# Altium PCB SAMW25_Xplained_Pro.PcbDoc (part 7 of 9)
Units mm, origin at the board's own origin, x right, y up, seen from the top; angles counter-clockwise.
Board outline 60 x 60 mm, 4 copper layers (Top Layer LF-signals, GND, POWER, Bottom Layer LF-signals), stack 1.602 mm thick; 139 components, 107 nets, 540 pads, 303 vias.
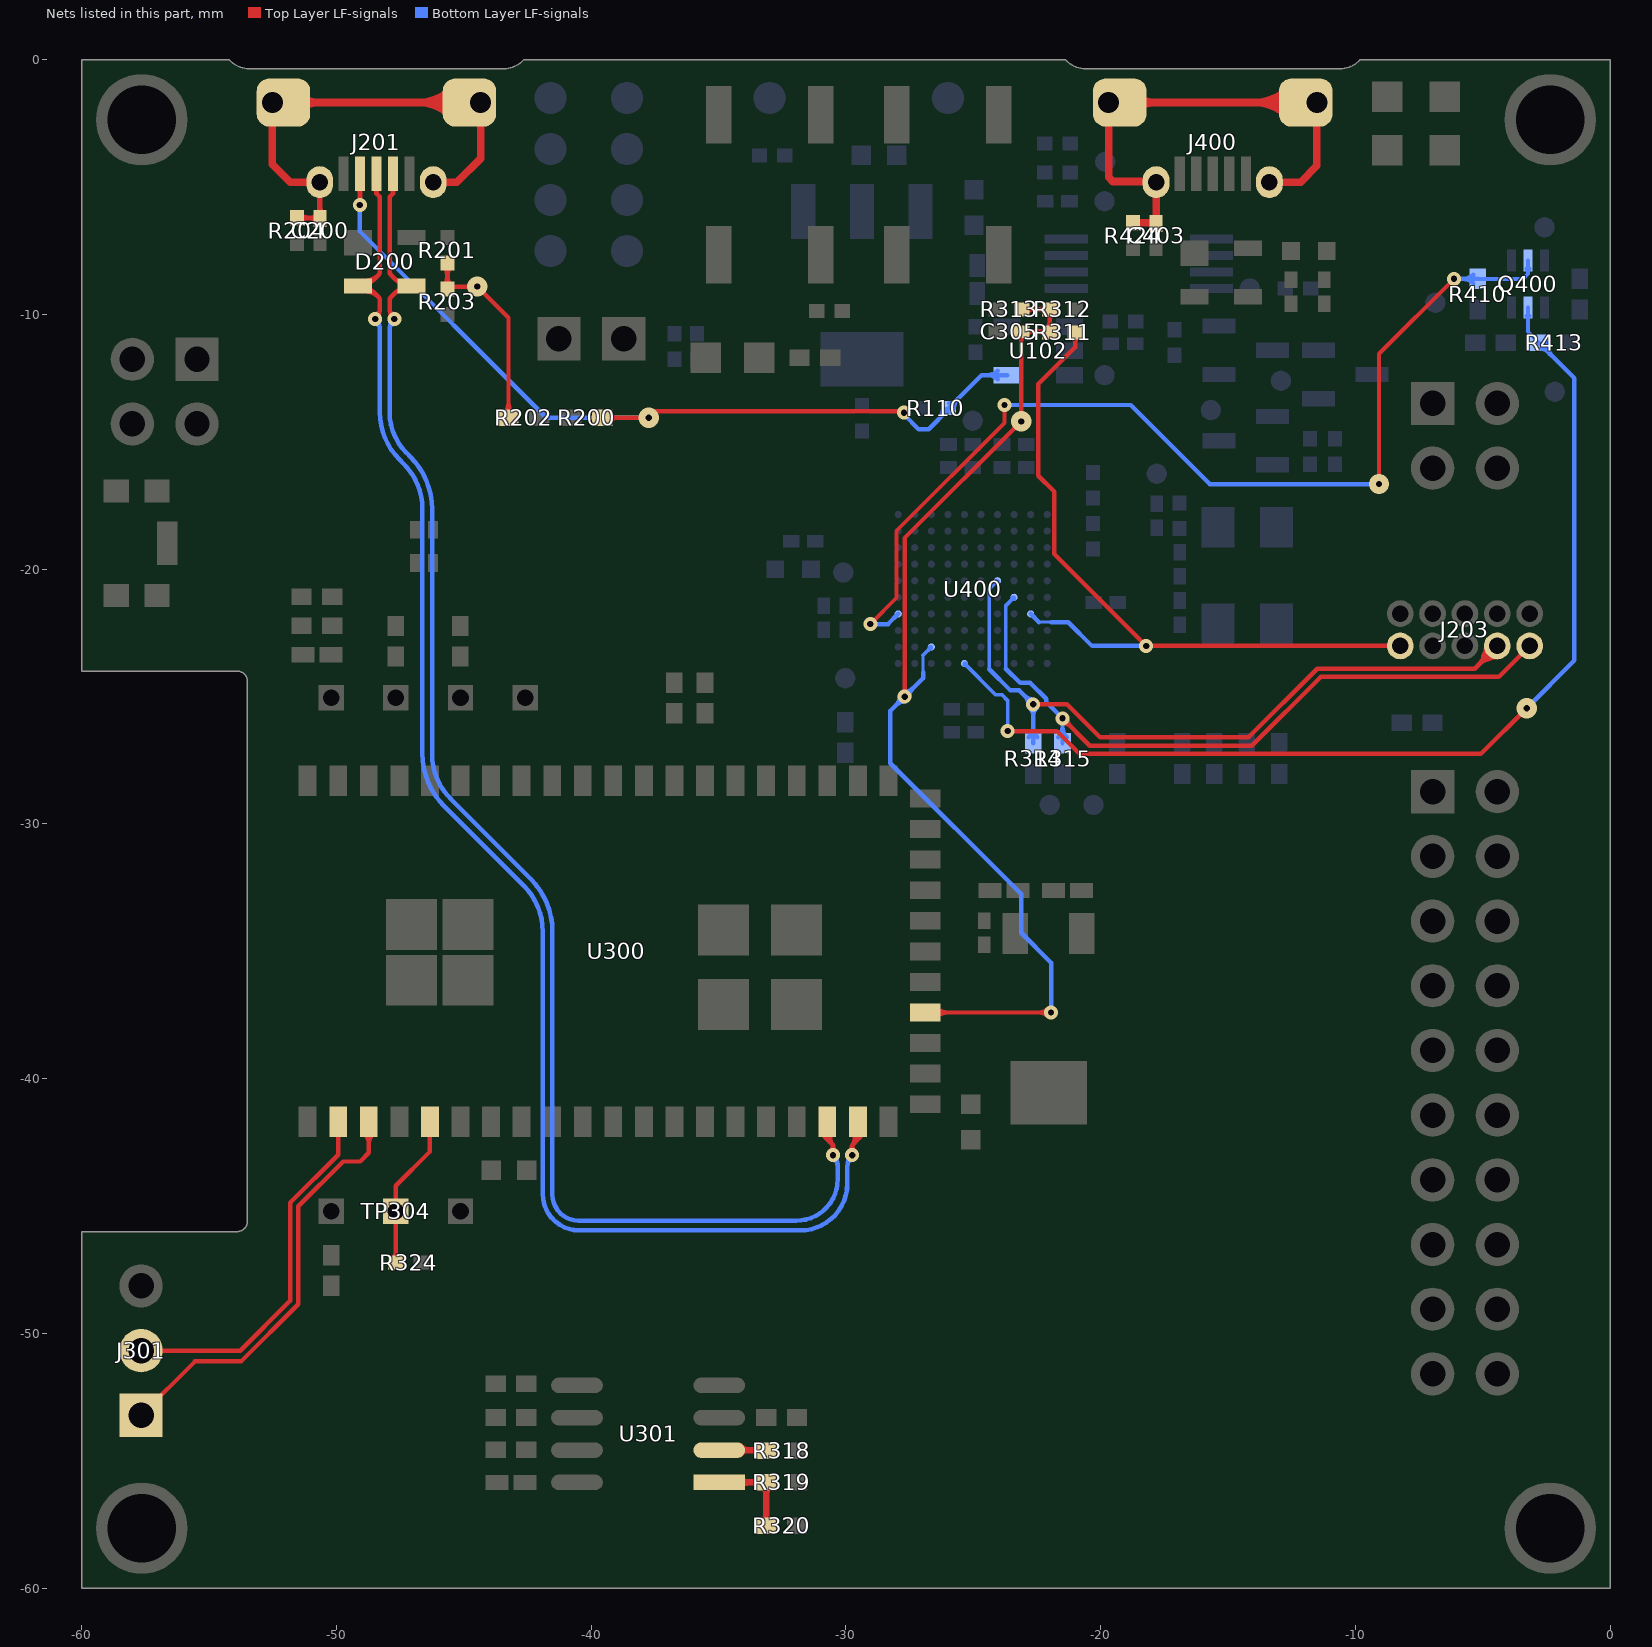
[diagram p9: the nets of this part, all layers, seen from the top]

## Via types
v1: diameter 0.55, hole 0.25, Top Layer LF-signals to Bottom Layer LF-signals, tented both sides, 213 vias
v2: diameter 0.55, hole 0.25, Top Layer LF-signals to Bottom Layer LF-signals, 46 vias
v3: diameter 0.55/0.8 (per signal layer), hole 0.25, Top Layer LF-signals to Bottom Layer LF-signals, tented top, 18 vias
v4: diameter 0.4, hole 0.2, Top Layer LF-signals to Bottom Layer LF-signals, 15 vias
v5: diameter 0.55, hole 0.25, Top Layer LF-signals to Bottom Layer LF-signals, tented top, 8 vias
v6: diameter 0.6, hole 0.3, Top Layer LF-signals to Bottom Layer LF-signals, tented both sides, 3 vias

## Nets (pads, with @x,y where several pads share a name; then routed paths per layer and width w, separated by ;. In a path a pad name is that pad's centre, name@x,y a point inside that pad or via, vN(x,y) a via of type N, cw(c..) or ccw(c..) an arc to the next point about the centre after c; other vN are vias at no path point) (continued)
POWER_LED_CTRL: Q400.2 R410.1 U400.K4 | length 44.6
  Top Layer LF-signals w0.15: v1(-29.042,-22.15) -28.013,-21.12 -28.013,-18.488 -23.775,-14.25 v1(-23.775,-13.55)
  Top Layer LF-signals w0.175: v3(-9.075,-16.65) -9.075,-11.543 v1(-6.132,-8.6)
  Bottom Layer LF-signals w0.15: R410.1@-5.2,-8.6 -3.425,-8.6 -3.225,-8.4 Q400.2@-3.225,-7.875 ; Q400.2@-3.296,-8.196 cw(c-3.466,-8.366) -3.225,-8.366 ; Q400.2@-3.296,-8.196 cw(c-3.466,-8.366) -3.225,-8.366 ; Q400.2@-3.296,-8.196 cw(c-3.466,-8.366) -3.225,-8.366 ; -3.225,-8.366 cw(c-2.984,-8.366) Q400.2@-3.154,-8.196 ; -3.225,-8.366 cw(c-2.984,-8.366) Q400.2@-3.154,-8.196 ; -3.225,-8.366 cw(c-2.984,-8.366) Q400.2@-3.154,-8.196
  Bottom Layer LF-signals w0.175: v1(-29.042,-22.15) -28.35,-22.15 U400.K4@-27.95,-21.75 ; v1(-23.775,-13.55) -18.825,-13.55 -15.712,-16.663 v3@-9.088,-16.663 ; v1(-6.132,-8.6) R410.1@-5.2,-8.6 ; -5.773,-8.6 cw(c-5.773,-9.173) R410.1@-5.368,-8.768 ; -5.773,-8.6 ccw(c-5.773,-8.027) R410.1@-5.368,-8.432 ; -5.773,-8.6 ccw(c-5.773,-8.027) R410.1@-5.368,-8.432 ; -5.773,-8.6 cw(c-5.773,-9.173) R410.1@-5.368,-8.768 ; -5.773,-8.6 ccw(c-5.773,-8.027) R410.1@-5.368,-8.432 ; -5.773,-8.6 cw(c-5.773,-9.173) R410.1@-5.368,-8.768
SHIELD: C403.2 J400.6@-11.512,-1.675 J400.7@-19.687,-1.675 J400.8@-13.375,-4.8 J400.9@-17.825,-4.8 R424.2 | length 52
  Top Layer LF-signals w0.3: R424.2@-18.725,-6.4 -17.85,-6.4 C403.2@-17.825,-6.375 ; C403.2@-17.825,-6.425 C403.2@-17.825,-6.375 ; J400.8@-13.375,-4.8 -12.15,-4.8 -11.512,-4.162 J400.6@-11.512,-1.675 J400.7@-19.687,-1.675 -19.687,-4.613 -19.525,-4.775 -17.85,-4.775 J400.9@-17.825,-4.8 C403.2@-17.825,-6.375 ; J400.7@-19.334,-2.029 cw(c-18.48,-2.882) J400.7@-18.48,-1.675 ; J400.7@-19.334,-2.029 cw(c-18.48,-2.882) J400.7@-18.48,-1.675 ; J400.7@-19.334,-2.029 cw(c-18.48,-2.882) J400.7@-18.48,-1.675 ; J400.7@-19.334,-1.321 ccw(c-18.48,-0.468) J400.7@-18.48,-1.675 ; J400.7@-19.334,-1.321 ccw(c-18.48,-0.468) J400.7@-18.48,-1.675 ; J400.7@-19.334,-1.321 ccw(c-18.48,-0.468) J400.7@-18.48,-1.675 ; J400.7@-19.122,-2.241 cw(c-17.756,-3.606) -17.756,-1.675 ; J400.7@-19.122,-2.241 cw(c-17.756,-3.606) -17.756,-1.675 ; J400.7@-19.122,-2.241 cw(c-17.756,-3.606) -17.756,-1.675 ; J400.7@-19.122,-1.109 ccw(c-17.756,0.256) -17.756,-1.675 ; J400.7@-19.122,-1.109 ccw(c-17.756,0.256) -17.756,-1.675 ; J400.7@-19.122,-1.109 ccw(c-17.756,0.256) -17.756,-1.675 ; R424.2@-18.637,-6.488 cw(c-18.423,-6.702) -18.423,-6.4 ; R424.2@-18.637,-6.488 cw(c-18.423,-6.702) -18.423,-6.4 ; R424.2@-18.637,-6.488 cw(c-18.423,-6.702) -18.423,-6.4 ; R424.2@-18.637,-6.312 ccw(c-18.423,-6.098) -18.423,-6.4 ; R424.2@-18.637,-6.312 ccw(c-18.423,-6.098) -18.423,-6.4 ; R424.2@-18.637,-6.312 ccw(c-18.423,-6.098) -18.423,-6.4 ; -18.127,-6.4 cw(c-18.127,-6.727) C403.2@-17.896,-6.496 ; -18.127,-6.4 cw(c-18.127,-6.727) C403.2@-17.896,-6.496 ; -18.127,-6.4 cw(c-18.127,-6.727) C403.2@-17.896,-6.496 ; -13.981,-1.675 cw(c-13.981,-3.606) J400.6@-12.616,-2.241 ; -13.981,-1.675 ccw(c-13.981,0.256) J400.6@-12.616,-1.109 ; -13.981,-1.675 ccw(c-13.981,0.256) J400.6@-12.616,-1.109 ; -13.981,-1.675 cw(c-13.981,-3.606) J400.6@-12.616,-2.241 ; -13.981,-1.675 ccw(c-13.981,0.256) J400.6@-12.616,-1.109 ; -13.981,-1.675 cw(c-13.981,-3.606) J400.6@-12.616,-2.241 ; -13.257,-1.675 cw(c-13.257,-2.882) J400.6@-12.404,-2.029 ; -13.257,-1.675 ccw(c-13.257,-0.468) J400.6@-12.404,-1.321 ; -13.257,-1.675 ccw(c-13.257,-0.468) J400.6@-12.404,-1.321 ; -13.257,-1.675 cw(c-13.257,-2.882) J400.6@-12.404,-2.029 ; -13.257,-1.675 ccw(c-13.257,-0.468) J400.6@-12.404,-1.321 ; -13.257,-1.675 cw(c-13.257,-2.882) J400.6@-12.404,-2.029
SLEEP_CLK: R324.2 TP304.1 U300.5 | length 8.2
  Top Layer LF-signals w0.175: R324.2@-47.808,-47.092 ccw(c-48.128,-46.772) -47.675,-46.772 ccw(c-47.222,-46.772) R324.2@-47.542,-47.092 ; R324.2@-47.675,-47.25 TP304.1@-47.675,-45.2 -47.675,-44.2 -46.335,-42.86 U300.5@-46.335,-41.696 ; -47.675,-46.797 ccw(c-47.222,-46.797) -47.542,-47.117 cw(c-47.222,-46.797) -47.675,-46.797 ; -47.675,-46.797 cw(c-48.128,-46.797) -47.808,-47.117 ccw(c-48.128,-46.797) -47.675,-46.797
SPI_MISO: R318.1 U301.2 | length 6.3
  Top Layer LF-signals w0.25: U301.2@-34.975,-54.58 R318.1@-33.03,-54.58 ; U301.2@-34.137,-54.707 cw(c-33.83,-55.014) -33.83,-54.58 ; U301.2@-34.137,-54.707 cw(c-33.83,-55.014) -33.83,-54.58 ; U301.2@-34.137,-54.707 cw(c-33.83,-55.014) -33.83,-54.58 ; U301.2@-34.137,-54.453 ccw(c-33.83,-54.146) -33.83,-54.58 ; U301.2@-34.137,-54.453 ccw(c-33.83,-54.146) -33.83,-54.58 ; U301.2@-34.137,-54.453 ccw(c-33.83,-54.146) -33.83,-54.58 ; -33.731,-54.58 cw(c-33.731,-55.131) R318.1@-33.341,-54.741 ; -33.731,-54.58 cw(c-33.731,-55.131) R318.1@-33.341,-54.741 ; -33.731,-54.58 cw(c-33.731,-55.131) R318.1@-33.341,-54.741 ; -33.635,-54.58 ccw(c-33.635,-54.165) R318.1@-33.341,-54.459 ; -33.635,-54.58 ccw(c-33.635,-54.165) R318.1@-33.341,-54.459 ; -33.635,-54.58 ccw(c-33.635,-54.165) R318.1@-33.341,-54.459
SPI_SS: R319.1 R320.2 U301.1 | length 12.3
  Top Layer LF-signals w0.25: U301.1@-34.975,-55.85 R319.1@-33.125,-55.85 R320.2@-33.125,-57.4 ; U301.1@-34.137,-55.977 cw(c-33.83,-56.284) -33.83,-55.85 ; U301.1@-34.137,-55.977 cw(c-33.83,-56.284) -33.83,-55.85 ; U301.1@-34.137,-55.977 cw(c-33.83,-56.284) -33.83,-55.85 ; U301.1@-34.137,-55.723 ccw(c-33.83,-55.416) -33.83,-55.85 ; U301.1@-34.137,-55.723 ccw(c-33.83,-55.416) -33.83,-55.85 ; U301.1@-34.137,-55.723 ccw(c-33.83,-55.416) -33.83,-55.85 ; -33.683,-55.85 cw(c-33.683,-56.333) R319.1@-33.341,-55.991 ; -33.683,-55.85 ccw(c-33.683,-55.367) R319.1@-33.341,-55.709 ; -33.683,-55.85 ccw(c-33.683,-55.367) R319.1@-33.341,-55.709 ; -33.683,-55.85 cw(c-33.683,-56.333) R319.1@-33.341,-55.991 ; -33.683,-55.85 ccw(c-33.683,-55.367) R319.1@-33.341,-55.709 ; -33.683,-55.85 cw(c-33.683,-56.333) R319.1@-33.341,-55.991 ; R320.2@-33.266,-57.409 ccw(c-33.608,-57.067) -33.125,-57.067 ; R320.2@-33.266,-57.409 ccw(c-33.608,-57.067) -33.125,-57.067 ; R320.2@-33.266,-57.409 ccw(c-33.608,-57.067) -33.125,-57.067 ; R319.1@-33.266,-55.991 cw(c-33.608,-56.333) -33.125,-56.333 ; R319.1@-33.266,-55.991 cw(c-33.608,-56.333) -33.125,-56.333 ; R319.1@-33.266,-55.991 cw(c-33.608,-56.333) -33.125,-56.333 ; -33.125,-57.067 ccw(c-32.642,-57.067) R320.2@-32.984,-57.409 ; -33.125,-57.067 ccw(c-32.642,-57.067) R320.2@-32.984,-57.409 ; -33.125,-57.067 ccw(c-32.642,-57.067) R320.2@-32.984,-57.409 ; -33.125,-56.333 cw(c-32.642,-56.333) R319.1@-32.984,-55.991 ; -33.125,-56.333 cw(c-32.642,-56.333) R319.1@-32.984,-55.991 ; -33.125,-56.333 cw(c-32.642,-56.333) R319.1@-32.984,-55.991
STATUS_LED_CTRL: Q400.5 R413.2 U400.F1 | length 48.5
  Top Layer LF-signals w0.175: v1(-23.653,-26.351) -21.724,-26.351 -20.825,-27.25 -5.075,-27.25 v3(-3.275,-25.45)
  Bottom Layer LF-signals w0.15: U400.F1@-25.35,-23.7 -24.125,-24.925 -23.875,-24.925 -23.653,-25.147 v1(-23.653,-26.351) ; Q400.5@-3.225,-9.725 -3.225,-10.675 R413.2@-2.8,-11.1 ; U400.F1@-25.35,-23.765 cw(c-25.35,-23.922) -25.239,-23.811 ; U400.F1@-25.35,-23.765 cw(c-25.35,-23.922) -25.239,-23.811 ; U400.F1@-25.35,-23.765 cw(c-25.35,-23.922) -25.239,-23.811 ; U400.F1@-25.285,-23.7 ccw(c-25.128,-23.7) -25.239,-23.811 ; U400.F1@-25.285,-23.7 ccw(c-25.128,-23.7) -25.239,-23.811 ; U400.F1@-25.285,-23.7 ccw(c-25.128,-23.7) -25.239,-23.811 ; Q400.5@-3.296,-10.046 cw(c-3.466,-10.216) -3.225,-10.216 ; Q400.5@-3.296,-10.046 cw(c-3.466,-10.216) -3.225,-10.216 ; Q400.5@-3.296,-10.046 cw(c-3.466,-10.216) -3.225,-10.216 ; -3.225,-10.216 cw(c-2.984,-10.216) Q400.5@-3.154,-10.046 ; -3.225,-10.216 cw(c-2.984,-10.216) Q400.5@-3.154,-10.046 ; -3.225,-10.216 cw(c-2.984,-10.216) Q400.5@-3.154,-10.046
  Bottom Layer LF-signals w0.175: v3(-3.275,-25.45) -1.4,-23.575 -1.4,-12.5 R413.2@-2.8,-11.1 ; R413.2@-2.744,-11.16 cw(c-2.913,-11.7) -2.366,-11.554 ; R413.2@-2.744,-11.16 cw(c-2.913,-11.7) -2.366,-11.554 ; R413.2@-2.744,-11.16 cw(c-2.913,-11.7) -2.366,-11.554 ; R413.2@-2.725,-11.338 cw(c-2.725,-11.73) -2.448,-11.452 ; R413.2@-2.725,-11.338 cw(c-2.725,-11.73) -2.448,-11.452 ; R413.2@-2.725,-11.338 cw(c-2.725,-11.73) -2.448,-11.452 ; R413.2@-2.488,-11.1 ccw(c-1.733,-11.1) -2.267,-11.633 ; R413.2@-2.488,-11.1 ccw(c-1.733,-11.1) -2.267,-11.633 ; R413.2@-2.488,-11.1 ccw(c-1.733,-11.1) -2.267,-11.633
SWCLK: J203.4 R314.1 U400.D6 | length 48
  Top Layer LF-signals w0.175: v1(-22.65,-25.3) -21.325,-25.3 -20.025,-26.6 -14.2,-26.6 -11.5,-23.9 -5.32,-23.9 J203.4@-4.43,-23.01 ; -5.177,-23.757 cw(c-4.43,-24.504) J203.4@-4.43,-23.447 ; -5.177,-23.757 ccw(c-5.924,-23.01) J203.4@-4.867,-23.01 ; -5.177,-23.757 ccw(c-5.924,-23.01) J203.4@-4.867,-23.01 ; -5.177,-23.757 cw(c-4.43,-24.504) J203.4@-4.43,-23.447 ; -5.177,-23.757 ccw(c-5.924,-23.01) J203.4@-4.867,-23.01 ; -5.177,-23.757 cw(c-4.43,-24.504) J203.4@-4.43,-23.447 ; -4.979,-23.424 cw(c-4.308,-23.604) J203.4@-4.448,-22.924 ; -4.979,-23.424 cw(c-4.308,-23.604) J203.4@-4.448,-22.924 ; -4.979,-23.424 cw(c-4.308,-23.604) J203.4@-4.448,-22.924 ; -4.878,-23.458 cw(c-4.43,-23.906) J203.4@-4.43,-23.272 ; -4.878,-23.458 ccw(c-5.326,-23.01) J203.4@-4.692,-23.01 ; -4.878,-23.458 ccw(c-5.326,-23.01) J203.4@-4.692,-23.01 ; -4.878,-23.458 cw(c-4.43,-23.906) J203.4@-4.43,-23.272 ; -4.878,-23.458 ccw(c-5.326,-23.01) J203.4@-4.692,-23.01 ; -4.878,-23.458 cw(c-4.43,-23.906) J203.4@-4.43,-23.272 ; -4.844,-23.559 ccw(c-5.024,-22.888) J203.4@-4.344,-23.028 ; -4.844,-23.559 ccw(c-5.024,-22.888) J203.4@-4.344,-23.028 ; -4.844,-23.559 ccw(c-5.024,-22.888) J203.4@-4.344,-23.028
  Bottom Layer LF-signals w0.125: -24.375,-23.847 -24.375,-20.775
  Bottom Layer LF-signals w0.15: -24.375,-23.924 -24.375,-23.847 ; -24.375,-20.775 U400.D6@-24.05,-20.45 ; -24.161,-20.561 cw(c-24.05,-20.672) U400.D6@-24.05,-20.515 ; -24.161,-20.561 ccw(c-24.272,-20.45) U400.D6@-24.115,-20.45 ; -24.161,-20.561 ccw(c-24.272,-20.45) U400.D6@-24.115,-20.45 ; -24.161,-20.561 cw(c-24.05,-20.672) U400.D6@-24.05,-20.515 ; -24.161,-20.561 ccw(c-24.272,-20.45) U400.D6@-24.115,-20.45 ; -24.161,-20.561 cw(c-24.05,-20.672) U400.D6@-24.05,-20.515
  Bottom Layer LF-signals w0.175: -24.375,-23.924 -23.543,-24.757 -23.193,-24.757 v1(-22.65,-25.3) R314.1@-22.65,-26.835 ; -22.97,-24.98 cw(c-23.29,-25.3) v1@-22.837,-25.3 ; -22.97,-24.98 ccw(c-22.65,-24.66) v1@-22.65,-25.112 ; -22.97,-24.98 ccw(c-22.65,-24.66) v1@-22.65,-25.112 ; -22.97,-24.98 cw(c-23.29,-25.3) v1@-22.837,-25.3 ; -22.97,-24.98 ccw(c-22.65,-24.66) v1@-22.65,-25.112 ; -22.97,-24.98 cw(c-23.29,-25.3) v1@-22.837,-25.3 ; R314.1@-22.818,-26.592 ccw(c-23.223,-26.187) -22.65,-26.187 ; R314.1@-22.818,-26.592 ccw(c-23.223,-26.187) -22.65,-26.187 ; R314.1@-22.818,-26.592 ccw(c-23.223,-26.187) -22.65,-26.187 ; v1@-22.783,-25.433 cw(c-23.103,-25.753) -22.65,-25.753 ; v1@-22.783,-25.433 cw(c-23.103,-25.753) -22.65,-25.753 ; v1@-22.783,-25.433 cw(c-23.103,-25.753) -22.65,-25.753 ; -22.65,-26.187 ccw(c-22.077,-26.187) R314.1@-22.482,-26.592 ; -22.65,-26.187 ccw(c-22.077,-26.187) R314.1@-22.482,-26.592 ; -22.65,-26.187 ccw(c-22.077,-26.187) R314.1@-22.482,-26.592 ; -22.65,-25.753 cw(c-22.197,-25.753) v1@-22.517,-25.433 ; -22.65,-25.753 cw(c-22.197,-25.753) v1@-22.517,-25.433 ; -22.65,-25.753 cw(c-22.197,-25.753) v1@-22.517,-25.433
SWDIO: J203.2 R315.1 U400.C5 | length 35.3
  Top Layer LF-signals w0.175: v1(-21.5,-25.85) -20.425,-26.925 -14.065,-26.925 -11.365,-24.225 -4.375,-24.225 J203.2@-3.16,-23.01 ; v1@-21.503,-25.862 cw(c-21.57,-26.193) -21.244,-26.106 ; v1@-21.503,-25.862 cw(c-21.57,-26.193) -21.244,-26.106 ; v1@-21.503,-25.862 cw(c-21.57,-26.193) -21.244,-26.106 ; v1@-21.5,-26.037 cw(c-21.5,-26.49) -21.18,-26.17 ; v1@-21.5,-26.037 cw(c-21.5,-26.49) -21.18,-26.17 ; v1@-21.5,-26.037 cw(c-21.5,-26.49) -21.18,-26.17 ; v1@-21.488,-25.847 ccw(c-21.157,-25.78) -21.244,-26.106 ; v1@-21.488,-25.847 ccw(c-21.157,-25.78) -21.244,-26.106 ; v1@-21.488,-25.847 ccw(c-21.157,-25.78) -21.244,-26.106 ; v1@-21.313,-25.85 ccw(c-20.86,-25.85) -21.18,-26.17 ; v1@-21.313,-25.85 ccw(c-20.86,-25.85) -21.18,-26.17 ; v1@-21.313,-25.85 ccw(c-20.86,-25.85) -21.18,-26.17
  Bottom Layer LF-signals w0.125: -23.725,-23.9 -23.725,-21.425
  Bottom Layer LF-signals w0.15: -23.725,-21.425 U400.C5@-23.4,-21.1 ; -23.511,-21.211 cw(c-23.4,-21.322) U400.C5@-23.4,-21.165 ; -23.511,-21.211 ccw(c-23.622,-21.1) U400.C5@-23.465,-21.1 ; -23.511,-21.211 ccw(c-23.622,-21.1) U400.C5@-23.465,-21.1 ; -23.511,-21.211 cw(c-23.4,-21.322) U400.C5@-23.4,-21.165 ; -23.511,-21.211 ccw(c-23.622,-21.1) U400.C5@-23.465,-21.1 ; -23.511,-21.211 cw(c-23.4,-21.322) U400.C5@-23.4,-21.165
  Bottom Layer LF-signals w0.175: -23.725,-23.9 -23.162,-24.463 -22.763,-24.463 -22.137,-25.088 -22.137,-25.212 v1(-21.5,-25.85) R315.1@-21.5,-26.835 ; R315.1@-21.668,-26.592 ccw(c-22.073,-26.187) -21.5,-26.187 ; R315.1@-21.668,-26.592 ccw(c-22.073,-26.187) -21.5,-26.187 ; R315.1@-21.668,-26.592 ccw(c-22.073,-26.187) -21.5,-26.187 ; -21.5,-26.187 ccw(c-20.927,-26.187) R315.1@-21.332,-26.592 ; -21.5,-26.187 ccw(c-20.927,-26.187) R315.1@-21.332,-26.592 ; -21.5,-26.187 ccw(c-20.927,-26.187) R315.1@-21.332,-26.592
TARGET_RESET: J203.10 R311.1 U400.B4 | length 31.8
  Top Layer LF-signals w0.175: R311.1@-21,-10.7 -21,-11.275 -22.45,-12.725 -22.45,-16.325 -21.825,-16.95 -21.825,-19.4 v1(-18.215,-23.01) J203.10@-8.24,-23.01 ; R311.1@-21.133,-10.833 cw(c-21.453,-11.153) -21,-11.153 ; R311.1@-21.133,-10.833 cw(c-21.453,-11.153) -21,-11.153 ; R311.1@-21.133,-10.833 cw(c-21.453,-11.153) -21,-11.153 ; -21,-11.153 cw(c-20.547,-11.153) R311.1@-20.867,-10.833 ; -21,-11.153 cw(c-20.547,-11.153) R311.1@-20.867,-10.833 ; -21,-11.153 cw(c-20.547,-11.153) R311.1@-20.867,-10.833
  Bottom Layer LF-signals w0.125: -22.425,-22.075 -21.935,-22.075
  Bottom Layer LF-signals w0.175: U400.B4@-22.75,-21.75 -22.425,-22.075 ; -21.935,-22.075 -21.275,-22.075 -20.34,-23.01 v1(-18.215,-23.01)
TARGET_RESET_SENSE: C305.1 R311.2 R312.1 R313.2 U300.24 U400.H2 | length 68.6
  Top Layer LF-signals w0.15: C305.1@-23.125,-10.675 C305.1@-23.1,-10.65
  Top Layer LF-signals w0.175: v1(-27.7,-25) -27.7,-18.775 v3(-23.12,-14.195) -23.12,-10.68 C305.1@-23.125,-10.675 ; U300.24@-26.894,-37.4 v1(-21.95,-37.4) ; C305.1@-23.1,-10.65 -22.05,-10.65 R311.2@-22,-10.7 R312.1@-22,-9.8 R313.2@-23.1,-9.8 ; U300.24@-26.458,-37.586 cw(c-26.01,-38.034) -26.01,-37.4 ; U300.24@-26.458,-37.586 cw(c-26.01,-38.034) -26.01,-37.4 ; U300.24@-26.458,-37.586 cw(c-26.01,-38.034) -26.01,-37.4 ; U300.24@-26.458,-37.214 ccw(c-26.01,-36.766) -26.01,-37.4 ; U300.24@-26.458,-37.214 ccw(c-26.01,-36.766) -26.01,-37.4 ; U300.24@-26.458,-37.214 ccw(c-26.01,-36.766) -26.01,-37.4 ; v3@-23.253,-14.063 ccw(c-23.573,-13.743) -23.12,-13.743 ; v3@-23.253,-14.063 ccw(c-23.573,-13.743) -23.12,-13.743 ; v3@-23.253,-14.063 ccw(c-23.573,-13.743) -23.12,-13.743 ; C305.1@-23.24,-10.79 cw(c-23.528,-11.078) -23.12,-11.078 ; C305.1@-23.24,-10.79 cw(c-23.528,-11.078) -23.12,-11.078 ; C305.1@-23.24,-10.79 cw(c-23.528,-11.078) -23.12,-11.078 ; -23.12,-13.743 ccw(c-22.668,-13.743) v3@-22.988,-14.063 ; -23.12,-13.743 ccw(c-22.668,-13.743) v3@-22.988,-14.063 ; -23.12,-13.743 ccw(c-22.668,-13.743) v3@-22.988,-14.063 ; -23.12,-11.056 cw(c-22.744,-11.056) C305.1@-23.01,-10.79 ; -23.12,-11.056 cw(c-22.744,-11.056) C305.1@-23.01,-10.79 ; -23.12,-11.056 cw(c-22.744,-11.056) C305.1@-23.01,-10.79 ; R313.2@-22.942,-9.933 cw(c-22.622,-10.253) -22.622,-9.8 ; R313.2@-22.942,-9.933 cw(c-22.622,-10.253) -22.622,-9.8 ; R313.2@-22.942,-9.933 cw(c-22.622,-10.253) -22.622,-9.8 ; R313.2@-22.942,-9.667 ccw(c-22.622,-9.347) -22.622,-9.8 ; R313.2@-22.942,-9.667 ccw(c-22.622,-9.347) -22.622,-9.8 ; R313.2@-22.942,-9.667 ccw(c-22.622,-9.347) -22.622,-9.8 ; C305.1@-22.935,-10.79 cw(c-22.597,-11.128) -22.597,-10.65 ; C305.1@-22.935,-10.79 cw(c-22.597,-11.128) -22.597,-10.65 ; C305.1@-22.935,-10.79 cw(c-22.597,-11.128) -22.597,-10.65 ; C305.1@-22.935,-10.56 ccw(c-22.718,-10.343) -22.718,-10.65 ; C305.1@-22.935,-10.56 ccw(c-22.718,-10.343) -22.718,-10.65 ; C305.1@-22.935,-10.56 ccw(c-22.718,-10.343) -22.718,-10.65 ; -22.598,-10.65 cw(c-22.598,-11.273) R311.2@-22.158,-10.833 ; -22.598,-10.65 cw(c-22.598,-11.273) R311.2@-22.158,-10.833 ; -22.598,-10.65 cw(c-22.598,-11.273) R311.2@-22.158,-10.833 ; -22.478,-9.8 cw(c-22.478,-10.253) R312.1@-22.158,-9.933 ; -22.478,-9.8 ccw(c-22.478,-9.347) R312.1@-22.158,-9.667 ; -22.478,-9.8 ccw(c-22.478,-9.347) R312.1@-22.158,-9.667 ; -22.478,-9.8 cw(c-22.478,-10.253) R312.1@-22.158,-9.933 ; -22.478,-9.8 ccw(c-22.478,-9.347) R312.1@-22.158,-9.667 ; -22.478,-9.8 cw(c-22.478,-10.253) R312.1@-22.158,-9.933 ; -22.403,-37.4 cw(c-22.403,-37.853) v1@-22.083,-37.533 ; -22.403,-37.4 ccw(c-22.403,-36.947) v1@-22.083,-37.267 ; -22.403,-37.4 ccw(c-22.403,-36.947) v1@-22.083,-37.267 ; -22.403,-37.4 cw(c-22.403,-37.853) v1@-22.083,-37.533 ; -22.403,-37.4 ccw(c-22.403,-36.947) v1@-22.083,-37.267 ; -22.403,-37.4 cw(c-22.403,-37.853) v1@-22.083,-37.533 ; -22.357,-10.65 ccw(c-22.357,-10.368) R311.2@-22.158,-10.567 ; -22.357,-10.65 ccw(c-22.357,-10.368) R311.2@-22.158,-10.567 ; -22.357,-10.65 ccw(c-22.357,-10.368) R311.2@-22.158,-10.567 ; R311.2@-22.133,-10.567 ccw(c-22.453,-10.247) -22,-10.247 ; R311.2@-22.133,-10.567 ccw(c-22.453,-10.247) -22,-10.247 ; R311.2@-22.133,-10.567 ccw(c-22.453,-10.247) -22,-10.247 ; R312.1@-22.133,-9.933 cw(c-22.453,-10.253) -22,-10.253 ; R312.1@-22.133,-9.933 cw(c-22.453,-10.253) -22,-10.253 ; R312.1@-22.133,-9.933 cw(c-22.453,-10.253) -22,-10.253 ; -22,-10.253 cw(c-21.547,-10.253) R312.1@-21.867,-9.933 ; -22,-10.253 cw(c-21.547,-10.253) R312.1@-21.867,-9.933 ; -22,-10.253 cw(c-21.547,-10.253) R312.1@-21.867,-9.933 ; -22,-10.247 ccw(c-21.547,-10.247) R311.2@-21.867,-10.567 ; -22,-10.247 ccw(c-21.547,-10.247) R311.2@-21.867,-10.567 ; -22,-10.247 ccw(c-21.547,-10.247) R311.2@-21.867,-10.567
  Bottom Layer LF-signals w0.125: -26.975,-24.05 -26.975,-23.375
  Bottom Layer LF-signals w0.15: -26.975,-23.375 U400.H2@-26.65,-23.05 ; -26.761,-23.161 cw(c-26.65,-23.272) U400.H2@-26.65,-23.115 ; -26.761,-23.161 ccw(c-26.872,-23.05) U400.H2@-26.715,-23.05 ; -26.761,-23.161 ccw(c-26.872,-23.05) U400.H2@-26.715,-23.05 ; -26.761,-23.161 cw(c-26.65,-23.272) U400.H2@-26.65,-23.115 ; -26.761,-23.161 ccw(c-26.872,-23.05) U400.H2@-26.715,-23.05 ; -26.761,-23.161 cw(c-26.65,-23.272) U400.H2@-26.65,-23.115
  Bottom Layer LF-signals w0.175: -26.975,-24.05 -26.975,-24.275 v1(-27.7,-25) -28.263,-25.563 -28.263,-27.612 -23.125,-32.75 -23.125,-34.271 -21.95,-35.446 v1(-21.95,-37.4) ; -28.02,-25.32 cw(c-27.7,-25.64) v1@-27.7,-25.187 ; -28.02,-25.32 ccw(c-28.34,-25) v1@-27.887,-25 ; -28.02,-25.32 ccw(c-28.34,-25) v1@-27.887,-25 ; -28.02,-25.32 cw(c-27.7,-25.64) v1@-27.7,-25.187 ; -28.02,-25.32 ccw(c-28.34,-25) v1@-27.887,-25 ; -28.02,-25.32 cw(c-27.7,-25.64) v1@-27.7,-25.187 ; v1@-27.7,-24.813 ccw(c-27.7,-24.36) -27.38,-24.68 ; v1@-27.7,-24.813 ccw(c-27.7,-24.36) -27.38,-24.68 ; v1@-27.7,-24.813 ccw(c-27.7,-24.36) -27.38,-24.68 ; v1@-27.513,-25 cw(c-27.06,-25) -27.38,-24.68 ; v1@-27.513,-25 cw(c-27.06,-25) -27.38,-24.68 ; v1@-27.513,-25 cw(c-27.06,-25) -27.38,-24.68
TARGET_USB_ID: J201.4 R110.1 R200.1 U102.4 | length 44.5
  Top Layer LF-signals w0.175: R200.1@-39.575,-14.05 v3(-37.75,-14.05) -37.5,-13.8 v1@-27.725,-13.8 ; R200.1@-39.332,-14.218 cw(c-38.927,-14.623) -38.927,-14.05 ; R200.1@-39.332,-14.218 cw(c-38.927,-14.623) -38.927,-14.05 ; R200.1@-39.332,-14.218 cw(c-38.927,-14.623) -38.927,-14.05 ; R200.1@-39.332,-13.882 ccw(c-38.927,-13.477) -38.927,-14.05 ; R200.1@-39.332,-13.882 ccw(c-38.927,-13.477) -38.927,-14.05 ; R200.1@-39.332,-13.882 ccw(c-38.927,-13.477) -38.927,-14.05
  Top Layer LF-signals w0.2: v1(-49.084,-5.7) J201.4@-49.084,-4.475 ; J201.4@-49.155,-5.021 cw(c-49.325,-5.191) -49.084,-5.191 ; J201.4@-49.155,-5.021 cw(c-49.325,-5.191) -49.084,-5.191 ; J201.4@-49.155,-5.021 cw(c-49.325,-5.191) -49.084,-5.191 ; -49.084,-5.191 cw(c-48.843,-5.191) J201.4@-49.013,-5.021 ; -49.084,-5.191 cw(c-48.843,-5.191) J201.4@-49.013,-5.021 ; -49.084,-5.191 cw(c-48.843,-5.191) J201.4@-49.013,-5.021
  Bottom Layer LF-signals w0.175: v1(-49.084,-5.7) -49.084,-6.737 -41.771,-14.05 v3(-37.75,-14.05) ; v1(-27.725,-13.85) -27.725,-13.925 -27.15,-14.5 -26.75,-14.5 R110.1@-25.975,-13.725 ; -26.269,-13.978 cw(c-25.859,-14.088) R110.1@-25.996,-13.687 ; R110.1@-25.975,-13.675 -24.678,-12.378 U102.4@-23.675,-12.378 ; R110.1@-26.192,-13.942 cw(c-26,-14.134) R110.1@-26,-13.862 ; R110.1@-26.192,-13.942 cw(c-26,-14.134) R110.1@-26,-13.862 ; R110.1@-26.192,-13.942 cw(c-26,-14.134) R110.1@-26,-13.862 ; R110.1@-25.95,-13.488 ccw(c-25.95,-13.095) -25.673,-13.373 ; R110.1@-25.95,-13.488 ccw(c-25.95,-13.095) -25.673,-13.373 ; R110.1@-25.95,-13.488 ccw(c-25.95,-13.095) -25.673,-13.373 ; R110.1@-25.763,-13.675 cw(c-25.249,-13.675) -25.612,-13.312 ; R110.1@-25.763,-13.675 cw(c-25.249,-13.675) -25.612,-13.312 ; R110.1@-25.763,-13.675 cw(c-25.249,-13.675) -25.612,-13.312 ; -24.448,-12.378 cw(c-24.448,-12.951) U102.4@-24.043,-12.546 ; -24.448,-12.378 ccw(c-24.448,-11.805) U102.4@-24.043,-12.21 ; -24.448,-12.378 ccw(c-24.448,-11.805) U102.4@-24.043,-12.21 ; -24.448,-12.378 cw(c-24.448,-12.951) U102.4@-24.043,-12.546 ; -24.448,-12.378 ccw(c-24.448,-11.805) U102.4@-24.043,-12.21 ; -24.448,-12.378 cw(c-24.448,-12.951) U102.4@-24.043,-12.546 ; -26.373,-14.123 ccw(c-26.821,-13.675) -26.187,-13.675 cw(c-26.821,-13.675) -26.373,-14.123
TARGET_USB_N: D200.3 J201.2 U300.18 | length 71.4
  Top Layer LF-signals w0.18: J201.2@-47.784,-4.475 -47.784,-5.245 -47.919,-5.38 -47.919,-8.289 ccw(c-47.683,-8.289) -47.85,-8.456 -47.695,-8.611 ccw(c-47.05,-7.965) D200.3@-47.05,-8.878 ccw(c-47.05,-9.791) -47.695,-9.145 -47.85,-9.3 ccw(c-47.683,-9.467) -47.919,-9.467 -47.919,-9.728 ccw(c-47.287,-9.728) v1(-47.734,-10.175) ; U300.18@-30.735,-41.696 -30.735,-42.386 ; v1(-30.51,-43) -30.51,-42.611 ; -47.897,-9.892 cw(c-48.068,-9.99) v1@-47.896,-10.085 ; -47.897,-9.892 ccw(c-47.727,-9.794) v1@-47.731,-9.99 ; -47.897,-9.892 ccw(c-47.727,-9.794) v1@-47.731,-9.99 ; -47.897,-9.892 cw(c-48.068,-9.99) v1@-47.896,-10.085 ; -47.897,-9.892 ccw(c-47.727,-9.794) v1@-47.731,-9.99 ; -47.897,-9.892 cw(c-48.068,-9.99) v1@-47.896,-10.085 ; J201.2@-47.862,-5.028 cw(c-48.05,-5.216) -47.784,-5.216 ; J201.2@-47.862,-5.028 cw(c-48.05,-5.216) -47.784,-5.216 ; J201.2@-47.862,-5.028 cw(c-48.05,-5.216) -47.784,-5.216 ; -47.784,-5.216 cw(c-47.518,-5.216) J201.2@-47.706,-5.028 ; -47.784,-5.216 cw(c-47.518,-5.216) J201.2@-47.706,-5.028 ; -47.784,-5.216 cw(c-47.518,-5.216) J201.2@-47.706,-5.028 ; U300.18@-30.861,-42.174 cw(c-30.977,-42.386) -30.735,-42.386 ; U300.18@-30.861,-42.174 cw(c-30.977,-42.386) -30.735,-42.386 ; U300.18@-30.861,-42.174 cw(c-30.977,-42.386) -30.735,-42.386 ; U300.18@-30.812,-41.883 ccw(c-30.555,-42.095) -30.791,-42.331 ; U300.18@-30.812,-41.883 ccw(c-30.555,-42.095) -30.791,-42.331 ; U300.18@-30.812,-41.883 ccw(c-30.555,-42.095) -30.791,-42.331 ; -30.735,-42.386 cw(c-30.493,-42.386) U300.18@-30.61,-42.174 ; -30.735,-42.386 cw(c-30.493,-42.386) U300.18@-30.61,-42.174 ; -30.735,-42.386 cw(c-30.493,-42.386) U300.18@-30.61,-42.174 ; -30.735,-42.386 -30.51,-42.611 ; U300.18@-30.673,-41.997 ccw(c-30.401,-42.221) -30.65,-42.471 ; U300.18@-30.673,-41.997 ccw(c-30.401,-42.221) -30.65,-42.471 ; U300.18@-30.673,-41.997 ccw(c-30.401,-42.221) -30.65,-42.471 ; v1@-30.627,-42.856 ccw(c-30.826,-42.611) -30.51,-42.611 ; v1@-30.627,-42.856 ccw(c-30.826,-42.611) -30.51,-42.611 ; v1@-30.627,-42.856 ccw(c-30.826,-42.611) -30.51,-42.611 ; U300.18@-30.534,-42.111 ccw(c-30.247,-42.348) -30.51,-42.611 ; U300.18@-30.534,-42.111 ccw(c-30.247,-42.348) -30.51,-42.611 ; U300.18@-30.534,-42.111 ccw(c-30.247,-42.348) -30.51,-42.611 ; -30.51,-42.611 ccw(c-30.194,-42.611) v1@-30.394,-42.856 ; -30.51,-42.611 ccw(c-30.194,-42.611) v1@-30.394,-42.856 ; -30.51,-42.611 ccw(c-30.194,-42.611) v1@-30.394,-42.856
  Bottom Layer LF-signals w0.18: v1(-47.734,-10.175) ccw(c-47.287,-10.622) -47.919,-10.622 -47.919,-13.831 ccw(c-45.656,-13.831) -47.256,-15.431 -47.105,-15.582 cw(c-49.17,-17.647) -46.25,-17.647 -46.25,-27.236 ccw(c-43.71,-27.236) -45.506,-29.032 -42.38,-32.157 cw(c-44.445,-34.222) -42.379,-32.159 cw(c-44.445,-34.222) -41.525,-34.222 -41.525,-44.552 ccw(c-40.502,-44.552) -40.502,-45.575 -31.95,-45.575 ccw(c-31.95,-43.95) -30.869,-45.164 ccw(c-31.95,-43.95) -30.325,-43.95 -30.325,-43.447 ccw(c-30.957,-43.447) v1(-30.51,-43) ; -47.897,-10.458 cw(c-47.727,-10.556) v1@-47.731,-10.36 ; -47.897,-10.458 ccw(c-48.068,-10.36) v1@-47.896,-10.265 ; -47.897,-10.458 ccw(c-48.068,-10.36) v1@-47.896,-10.265 ; -47.897,-10.458 cw(c-47.727,-10.556) v1@-47.731,-10.36 ; -47.897,-10.458 ccw(c-48.068,-10.36) v1@-47.896,-10.265 ; -47.897,-10.458 cw(c-47.727,-10.556) v1@-47.731,-10.36 ; v1@-30.513,-43.185 cw(c-30.517,-43.381) -30.347,-43.283 ; v1@-30.513,-43.185 cw(c-30.517,-43.381) -30.347,-43.283 ; v1@-30.513,-43.185 cw(c-30.517,-43.381) -30.347,-43.283 ; v1@-30.348,-43.09 ccw(c-30.177,-43.185) -30.347,-43.283 ; v1@-30.348,-43.09 ccw(c-30.177,-43.185) -30.347,-43.283 ; v1@-30.348,-43.09 ccw(c-30.177,-43.185) -30.347,-43.283
TARGET_USB_P: D200.2 J201.3 U300.19 | length 81.2
  Top Layer LF-signals w0.18: D200.2@-49.168,-8.881 ccw(c-49.168,-7.968) D200.2@-49.094,-8.878 ; D200.2@-49.168,-8.875 cw(c-49.168,-9.788) D200.2@-49.094,-8.878 ; v1(-48.484,-10.175) ccw(c-48.931,-9.728) -48.299,-9.728 -48.299,-9.464 ccw(c-48.535,-9.464) -48.368,-9.297 ; J201.3@-48.434,-4.475 -48.434,-5.245 -48.299,-5.38 -48.299,-8.292 cw(c-48.535,-8.292) -48.368,-8.459 ; v1(-29.76,-43) -29.76,-42.611 ; U300.19@-29.535,-41.696 -29.535,-42.386 ; D200.2@-49.094,-8.878 ccw(c-49.168,-7.968) -48.523,-8.614 ; D200.2@-49.094,-8.878 cw(c-49.168,-9.788) -48.523,-9.142 ; D200.2@-48.894,-9.088 cw(c-48.874,-9.803) -48.368,-9.297 ; D200.2@-48.894,-9.088 cw(c-48.874,-9.803) -48.368,-9.297 ; D200.2@-48.894,-9.088 cw(c-48.874,-9.803) -48.368,-9.297 ; D200.2@-48.894,-8.668 ccw(c-48.874,-7.953) -48.368,-8.459 ; D200.2@-48.894,-8.668 ccw(c-48.874,-7.953) -48.368,-8.459 ; D200.2@-48.894,-8.668 ccw(c-48.874,-7.953) -48.368,-8.459 ; D200.2@-48.873,-8.89 cw(c-48.365,-9.112) -48.493,-8.573 ; D200.2@-48.873,-8.89 cw(c-48.365,-9.112) -48.493,-8.573 ; D200.2@-48.873,-8.89 cw(c-48.365,-9.112) -48.493,-8.573 ; D200.2@-48.873,-8.866 ccw(c-48.365,-8.644) -48.493,-9.183 ; D200.2@-48.873,-8.866 ccw(c-48.365,-8.644) -48.493,-9.183 ; D200.2@-48.873,-8.866 ccw(c-48.365,-8.644) -48.493,-9.183 ; D200.2@-48.828,-9.075 cw(c-48.728,-9.347) -48.523,-9.142 ; D200.2@-48.828,-9.075 cw(c-48.728,-9.347) -48.523,-9.142 ; D200.2@-48.828,-9.075 cw(c-48.728,-9.347) -48.523,-9.142 ; D200.2@-48.828,-8.681 ccw(c-48.728,-8.409) -48.523,-8.614 ; D200.2@-48.828,-8.681 ccw(c-48.728,-8.409) -48.523,-8.614 ; D200.2@-48.828,-8.681 ccw(c-48.728,-8.409) -48.523,-8.614 ; -48.523,-9.142 -48.368,-9.297 ; -48.523,-8.614 -48.368,-8.459 ; J201.3@-48.512,-5.028 cw(c-48.7,-5.216) -48.434,-5.216 ; J201.3@-48.512,-5.028 cw(c-48.7,-5.216) -48.434,-5.216 ; J201.3@-48.512,-5.028 cw(c-48.7,-5.216) -48.434,-5.216 ; v1@-48.487,-9.99 ccw(c-48.491,-9.794) -48.321,-9.892 ; v1@-48.487,-9.99 ccw(c-48.491,-9.794) -48.321,-9.892 ; v1@-48.487,-9.99 ccw(c-48.491,-9.794) -48.321,-9.892 ; -48.434,-5.216 cw(c-48.168,-5.216) J201.3@-48.356,-5.028 ; -48.434,-5.216 cw(c-48.168,-5.216) J201.3@-48.356,-5.028 ; -48.434,-5.216 cw(c-48.168,-5.216) J201.3@-48.356,-5.028 ; v1@-48.322,-10.085 cw(c-48.15,-9.99) -48.321,-9.892 ; v1@-48.322,-10.085 cw(c-48.15,-9.99) -48.321,-9.892 ; v1@-48.322,-10.085 cw(c-48.15,-9.99) -48.321,-9.892 ; v1@-29.877,-42.856 ccw(c-30.076,-42.611) -29.76,-42.611 ; v1@-29.877,-42.856 ccw(c-30.076,-42.611) -29.76,-42.611 ; v1@-29.877,-42.856 ccw(c-30.076,-42.611) -29.76,-42.611 ; -29.76,-42.611 ccw(c-29.444,-42.611) v1@-29.644,-42.856 ; -29.76,-42.611 ccw(c-30.023,-42.348) U300.19@-29.736,-42.111 ; -29.76,-42.611 ccw(c-30.023,-42.348) U300.19@-29.736,-42.111 ; -29.76,-42.611 ccw(c-29.444,-42.611) v1@-29.644,-42.856 ; -29.76,-42.611 ccw(c-30.023,-42.348) U300.19@-29.736,-42.111 ; -29.76,-42.611 ccw(c-29.444,-42.611) v1@-29.644,-42.856 ; -29.76,-42.611 -29.535,-42.386 ; U300.19@-29.661,-42.174 cw(c-29.777,-42.386) -29.535,-42.386 ; U300.19@-29.661,-42.174 cw(c-29.777,-42.386) -29.535,-42.386 ; U300.19@-29.661,-42.174 cw(c-29.777,-42.386) -29.535,-42.386 ; -29.62,-42.471 ccw(c-29.87,-42.221) U300.19@-29.597,-41.997 ; -29.62,-42.471 ccw(c-29.87,-42.221) U300.19@-29.597,-41.997 ; -29.62,-42.471 ccw(c-29.87,-42.221) U300.19@-29.597,-41.997 ; -29.535,-42.386 cw(c-29.293,-42.386) U300.19@-29.41,-42.174 ; -29.535,-42.386 cw(c-29.293,-42.386) U300.19@-29.41,-42.174 ; -29.535,-42.386 cw(c-29.293,-42.386) U300.19@-29.41,-42.174 ; -29.48,-42.331 ccw(c-29.716,-42.095) U300.19@-29.458,-41.883 ; -29.48,-42.331 ccw(c-29.716,-42.095) U300.19@-29.458,-41.883 ; -29.48,-42.331 ccw(c-29.716,-42.095) U300.19@-29.458,-41.883
  Bottom Layer LF-signals w0.18: v1(-48.484,-10.175) cw(c-48.931,-10.622) -48.299,-10.622 -48.299,-13.831 ccw(c-45.656,-13.831) -47.525,-15.7 -47.374,-15.851 cw(c-49.17,-17.647) -46.63,-17.647 -46.63,-27.236 ccw(c-43.71,-27.236) -45.775,-29.3 -42.649,-32.426 cw(c-44.445,-34.222) -41.905,-34.222 -41.905,-44.53 ccw(c-40.48,-44.53) -40.48,-45.955 -31.793,-45.955 ccw(c-31.793,-44.107) -30.173,-44.996 ccw(c-31.793,-44.107) -29.945,-44.107 -29.945,-43.447 cw(c-29.314,-43.447) v1(-29.76,-43) ; v1@-48.487,-10.36 cw(c-48.491,-10.556) -48.321,-10.458 ; v1@-48.487,-10.36 cw(c-48.491,-10.556) -48.321,-10.458 ; v1@-48.487,-10.36 cw(c-48.491,-10.556) -48.321,-10.458 ; v1@-48.322,-10.265 ccw(c-48.15,-10.36) -48.321,-10.458 ; v1@-48.322,-10.265 ccw(c-48.15,-10.36) -48.321,-10.458 ; v1@-48.322,-10.265 ccw(c-48.15,-10.36) -48.321,-10.458 ; -29.924,-43.283 cw(c-29.754,-43.381) v1@-29.757,-43.185 ; -29.924,-43.283 ccw(c-30.094,-43.185) v1@-29.922,-43.09 ; -29.924,-43.283 ccw(c-30.094,-43.185) v1@-29.922,-43.09 ; -29.924,-43.283 cw(c-29.754,-43.381) v1@-29.757,-43.185 ; -29.924,-43.283 ccw(c-30.094,-43.185) v1@-29.922,-43.09 ; -29.924,-43.283 cw(c-29.754,-43.381) v1@-29.757,-43.185
TARGET_USB_SHIELD: C200.2 J201.6@-44.347,-1.675 J201.7@-52.522,-1.675 J201.8@-46.209,-4.8 J201.9@-50.659,-4.8 R204.2 | length 54.5
  Top Layer LF-signals w0.2: R204.2@-51.55,-6.203 -50.675,-6.203 -50.659,-6.219 J201.9@-50.659,-4.8 ; R204.2@-51.426,-6.327 cw(c-51.128,-6.625) -51.128,-6.203 ; R204.2@-51.426,-6.327 cw(c-51.128,-6.625) -51.128,-6.203 ; R204.2@-51.426,-6.327 cw(c-51.128,-6.625) -51.128,-6.203 ; R204.2@-51.426,-6.079 ccw(c-51.128,-5.781) -51.128,-6.203 ; R204.2@-51.426,-6.079 ccw(c-51.128,-5.781) -51.128,-6.203 ; R204.2@-51.426,-6.079 ccw(c-51.128,-5.781) -51.128,-6.203 ; -51.072,-6.203 cw(c-51.072,-6.65) C200.2@-50.756,-6.334 ; -51.072,-6.203 cw(c-51.072,-6.65) C200.2@-50.756,-6.334 ; -51.072,-6.203 cw(c-51.072,-6.65) C200.2@-50.756,-6.334 ; -50.952,-6.203 ccw(c-50.952,-5.926) C200.2@-50.756,-6.122 ; -50.952,-6.203 ccw(c-50.952,-5.926) C200.2@-50.756,-6.122 ; -50.952,-6.203 ccw(c-50.952,-5.926) C200.2@-50.756,-6.122 ; C200.2@-50.756,-6.047 ccw(c-50.99,-5.813) -50.659,-5.813 ; C200.2@-50.756,-6.047 ccw(c-50.99,-5.813) -50.659,-5.813 ; C200.2@-50.756,-6.047 ccw(c-50.99,-5.813) -50.659,-5.813 ; -50.659,-5.769 ccw(c-50.266,-5.769) C200.2@-50.544,-6.047 ; -50.659,-5.769 ccw(c-50.266,-5.769) C200.2@-50.544,-6.047 ; -50.659,-5.769 ccw(c-50.266,-5.769) C200.2@-50.544,-6.047
  Top Layer LF-signals w0.3: J201.9@-50.659,-4.8 -51.825,-4.8 -52.522,-4.103 J201.7@-52.522,-1.675 J201.6@-44.347,-1.675 -44.347,-3.871 -45.275,-4.8 J201.8@-46.209,-4.8 ; J201.7@-52.168,-2.029 cw(c-51.314,-2.882) J201.7@-51.314,-1.675 ; J201.7@-52.168,-2.029 cw(c-51.314,-2.882) J201.7@-51.314,-1.675 ; J201.7@-52.168,-2.029 cw(c-51.314,-2.882) J201.7@-51.314,-1.675 ; J201.7@-52.168,-1.321 ccw(c-51.314,-0.468) J201.7@-51.314,-1.675 ; J201.7@-52.168,-1.321 ccw(c-51.314,-0.468) J201.7@-51.314,-1.675 ; J201.7@-52.168,-1.321 ccw(c-51.314,-0.468) J201.7@-51.314,-1.675 ; J201.7@-51.956,-2.241 cw(c-50.59,-3.606) -50.59,-1.675 ; J201.7@-51.956,-2.241 cw(c-50.59,-3.606) -50.59,-1.675 ; J201.7@-51.956,-2.241 cw(c-50.59,-3.606) -50.59,-1.675 ; J201.7@-51.956,-1.109 ccw(c-50.59,0.256) -50.59,-1.675 ; J201.7@-51.956,-1.109 ccw(c-50.59,0.256) -50.59,-1.675 ; J201.7@-51.956,-1.109 ccw(c-50.59,0.256) -50.59,-1.675 ; -46.815,-1.675 cw(c-46.815,-3.606) J201.6@-45.45,-2.241 ; -46.815,-1.675 ccw(c-46.815,0.256) J201.6@-45.45,-1.109 ; -46.815,-1.675 ccw(c-46.815,0.256) J201.6@-45.45,-1.109 ; -46.815,-1.675 cw(c-46.815,-3.606) J201.6@-45.45,-2.241 ; -46.815,-1.675 ccw(c-46.815,0.256) J201.6@-45.45,-1.109 ; -46.815,-1.675 cw(c-46.815,-3.606) J201.6@-45.45,-2.241 ; -46.091,-1.675 cw(c-46.091,-2.882) J201.6@-45.238,-2.029 ; -46.091,-1.675 ccw(c-46.091,-0.468) J201.6@-45.238,-1.321 ; -46.091,-1.675 ccw(c-46.091,-0.468) J201.6@-45.238,-1.321 ; -46.091,-1.675 cw(c-46.091,-2.882) J201.6@-45.238,-2.029 ; -46.091,-1.675 ccw(c-46.091,-0.468) J201.6@-45.238,-1.321 ; -46.091,-1.675 cw(c-46.091,-2.882) J201.6@-45.238,-2.029
TARGET_VUSB_DETECT: R201.1 R202.1 R203.2 | length 14.4
  Top Layer LF-signals w0.175: R203.2@-45.65,-8.9 v3(-44.475,-8.9) -43.25,-10.125 R202.1@-43.25,-14.05 ; R202.1@-43.418,-13.882 ccw(c-43.823,-13.477) -43.25,-13.477 ; R202.1@-43.418,-13.882 ccw(c-43.823,-13.477) -43.25,-13.477 ; R202.1@-43.418,-13.882 ccw(c-43.823,-13.477) -43.25,-13.477 ; -43.25,-13.477 ccw(c-42.677,-13.477) R202.1@-43.082,-13.882 ; -43.25,-13.477 ccw(c-42.677,-13.477) R202.1@-43.082,-13.882 ; -43.25,-13.477 ccw(c-42.677,-13.477) R202.1@-43.082,-13.882
  Top Layer LF-signals w0.2: R203.2@-45.65,-8.9 R201.1@-45.65,-7.975 ; R203.2@-45.774,-8.851 ccw(c-46.072,-8.553) -45.65,-8.553 ; R203.2@-45.774,-8.851 ccw(c-46.072,-8.553) -45.65,-8.553 ; R203.2@-45.774,-8.851 ccw(c-46.072,-8.553) -45.65,-8.553 ; R201.1@-45.774,-8.124 cw(c-46.072,-8.422) -45.65,-8.422 ; R201.1@-45.774,-8.124 cw(c-46.072,-8.422) -45.65,-8.422 ; R201.1@-45.774,-8.124 cw(c-46.072,-8.422) -45.65,-8.422 ; -45.65,-8.553 ccw(c-45.228,-8.553) R203.2@-45.526,-8.851 ; -45.65,-8.553 ccw(c-45.228,-8.553) R203.2@-45.526,-8.851 ; -45.65,-8.553 ccw(c-45.228,-8.553) R203.2@-45.526,-8.851 ; -45.65,-8.422 cw(c-45.228,-8.422) R201.1@-45.526,-8.124 ; -45.65,-8.422 cw(c-45.228,-8.422) R201.1@-45.526,-8.124 ; -45.65,-8.422 cw(c-45.228,-8.422) R201.1@-45.526,-8.124
UART_RXD: J301.1 U300.3 | length 19.7
  Top Layer LF-signals w0.175: J301.1@-57.675,-53.215 -55.56,-51.1 -53.75,-51.1 -51.5,-48.85 -51.5,-45.01 -49.74,-43.25 -49.075,-43.25 -48.735,-42.91 U300.3@-48.735,-41.696 ; U300.3@-48.921,-42.132 cw(c-49.369,-42.58) -48.735,-42.58 ; U300.3@-48.921,-42.132 cw(c-49.369,-42.58) -48.735,-42.58 ; U300.3@-48.921,-42.132 cw(c-49.369,-42.58) -48.735,-42.58 ; -48.735,-42.58 cw(c-48.101,-42.58) U300.3@-48.55,-42.132 ; -48.735,-42.58 cw(c-48.101,-42.58) U300.3@-48.55,-42.132 ; -48.735,-42.58 cw(c-48.101,-42.58) U300.3@-48.55,-42.132
UART_TXD: J301.2 U300.2 | length 14.5
  Top Layer LF-signals w0.175: J301.2@-57.725,-50.675 J301.2@-57.675,-50.675 -53.785,-50.675 -51.825,-48.715 -51.825,-44.875 -49.935,-42.985 U300.2@-49.935,-41.696